# Altium PCB Thermograph_PT100.PcbDoc
Units mil, origin at the board's own origin, x right, y up, seen from the top; angles counter-clockwise.
Board outline 1971.53 x 1971.53 mil, 2 copper layers (Top Layer, Bottom Layer); 35 components, 39 nets, 136 pads, 47 vias.
Unrouted connection lines stored in the file: 1.
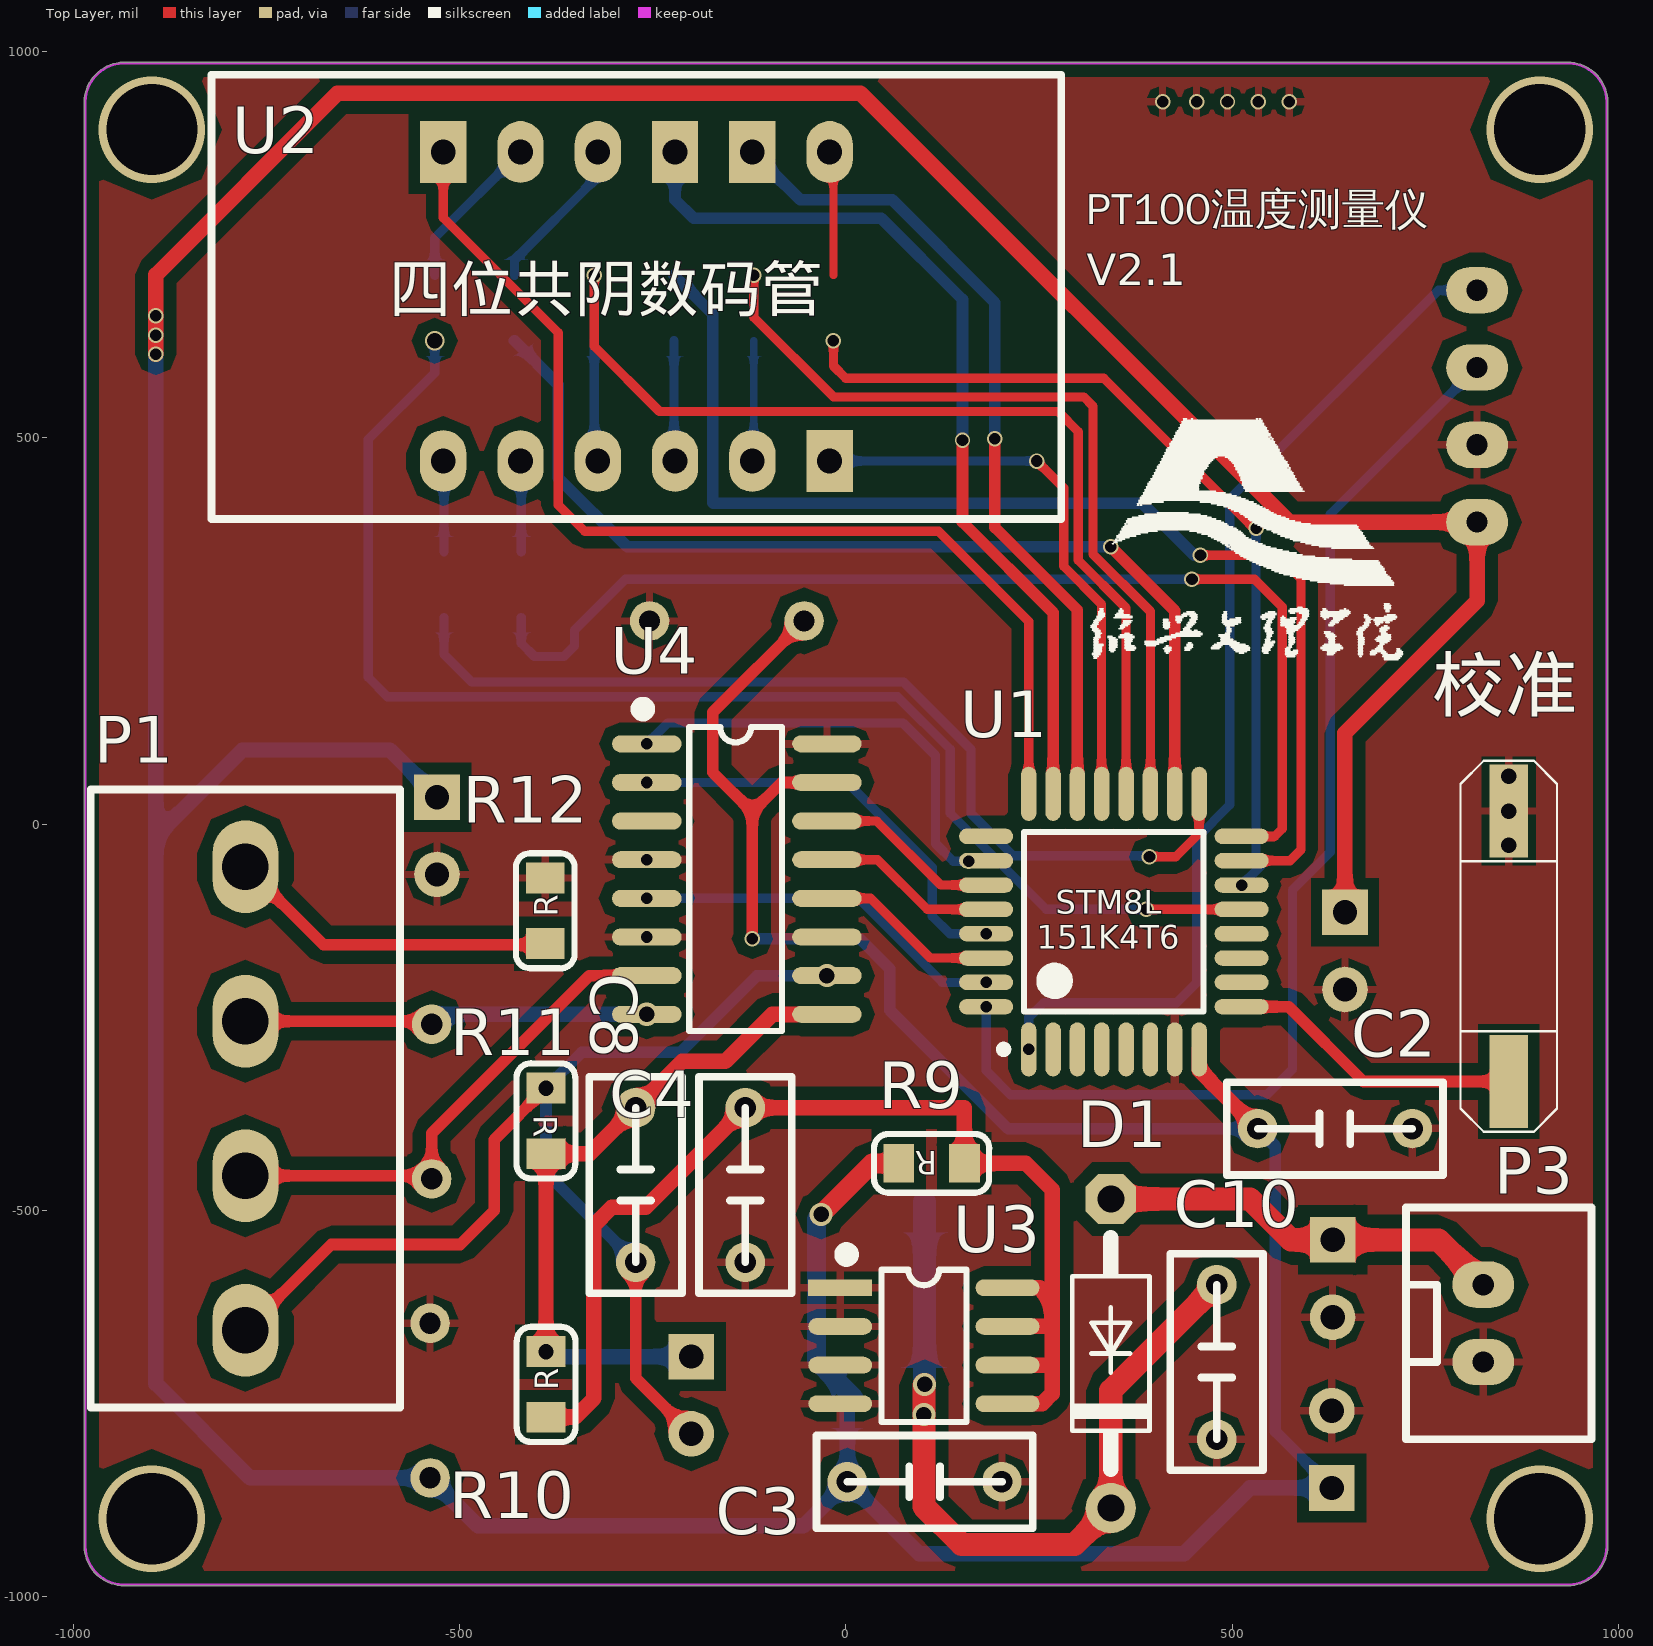
[diagram p0: Top Layer view]
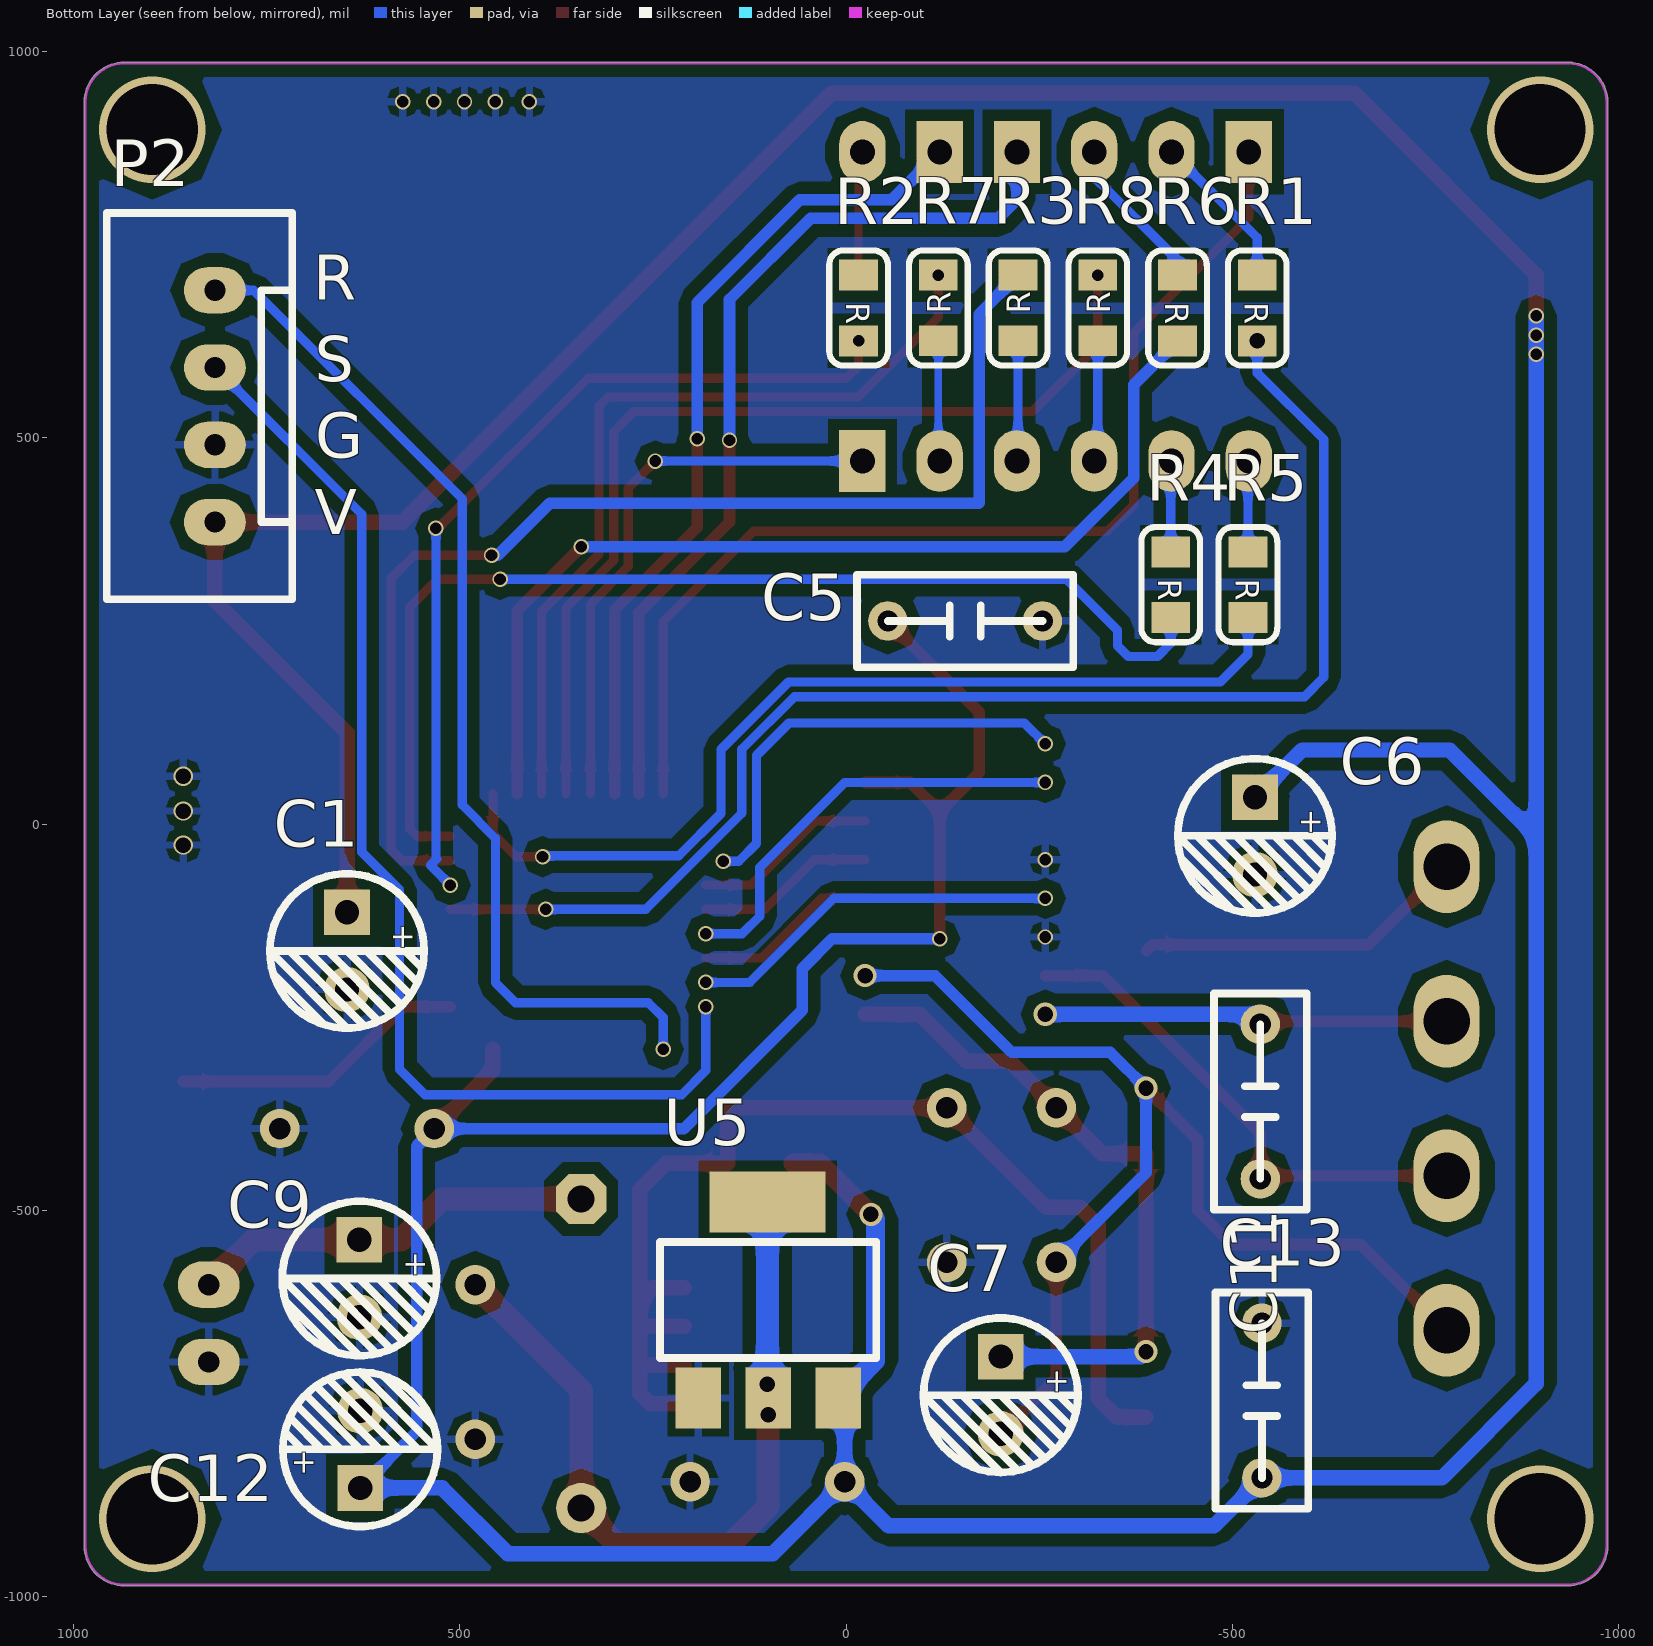
[diagram p1: Bottom Layer view, seen from below]

## Layer stack, top to bottom
Top Solder: solder mask 0.4, Solder Resist, Dk 3.5
Top Layer: signal copper 1.4
Dielectric 1: dielectric 12.6, FR-4, Dk 4.8
Bottom Layer: signal copper 1.4
Bottom Solder: solder mask 0.4, Solder Resist, Dk 3.5

## Board outline
-985.52,-934 -985.52,934.5 cw(c-934,934.5) -939.96,985.67 cw(c-939,984.5) -939,986.02 934.5,986.02 cw(c934.5,934.5) 986.02,934.5 986.02,-934 cw(c934.5,-934) 934.5,-985.51 -934,-985.51 cw(c-934,-934)

## Design rules (kind name [scope] priority, off if disabled: settings)
Clearance [All] p1: gap=7
PolygonConnect [All] p1: connectstyle=Relief reliefconductorwidth=10 reliefentries=4 polygonreliefangle="90 Angle" airgapwidth=10
RoutingCorners RoutingCorners_1 [All] p1: cornerstyle=45-Degree minsetback=100 maxsetback=100
RoutingCorners [All] p2: cornerstyle=45-Degree minsetback=100 maxsetback=100
RoutingTopology [All] p1: topology=Starburst
RoutingVias [All] p1: holewidth=18 width=23 viastyle="Through Hole" minholewidth=15 minwidth=20 maxholewidth=30 maxwidth=50
SolderMaskExpansion [All] p1: expansion=4
Width [All] p1: maxlimit=50 minlimit=7 preferedwidth=10
28 further rules are at their usual default settings.

## Classes and differential pairs
net class PD[4..7]: PD0 PD4 PD5 PD6 PD7
net class PB[0..7]: PB0 PB1 PB2 PB3 PB4 PB5 PB6 PB7

## Components (designator, comment, footprint, x,y, rotation, side; value= is the part's Value field where it differs from the comment)
C1 "10uF" cap2 646,-164 r270 bottom
C2 "104" cap1 633,-394 r180 top
C3 "104" cap1 102,-851 r180 top
C4 "104" cap1 -130,-467 r90 top
C5 "104" cap1 -154,263 r0 bottom
C6 "10uF" cap2 -529,-15 r270 bottom
C7 "10uF" cap2 -200,-739 r270 bottom
C8 "104" cap1 -272,-467 r90 top
C9 "100uF" cap2 630,-588 r270 bottom
C10 "104" cap1 480,-696 r90 top
C11 "104" cap1 -536,-359 r270 bottom
C12 "100uF" cap2 629,-809 r90 bottom
C13 "104" cap1 -538,-746 r270 bottom
D1 "1n5819" 1N4007 343,-685 r270 top
P1 "4PCON" 4P1 -777,-355 r90 top
P2 "4P" 4P2 817,541 r90 bottom
P3 "2P" 2PXH 825,-646 r270 top
R1 "1k" RES -532,668 r270 bottom
R2 "1k" RES -16,668 r270 bottom
R3 "1k" RES -222.4,668.1 r90 bottom
R4 "1k" RES -420,310 r270 bottom
R5 "1k" RES -520,310 r270 bottom
R6 "1k" RES -428.8,668 r270 bottom
R7 "1k" RES -119.2,668.1 r90 bottom
R8 "1k" RES -325.6,668.1 r90 bottom
R9 "1k" RES 111,-439 r180 top
R10 "750" RES -388,-725 r90 top
R11 "1.5k" RES -388,-384 r270 top
R12 "100" RES -389,-112 r90 top
U1 "MCU" STM8L151K4TX 347,-126 r90 top
U2 "SEG" SEG -271,670 r0 top
U3 "LM385B-2.5" LM385B-2.5 101,-675 r0 top
U4 "TM7705" TM7705 -141,-71 r0 top
U5 "AMS1117" AMS1117-3.3 101,-616 r180 bottom
校准 "Switch" Switch1 858,-158 r90 top (schematic designator K1)

## Footprints (in the part's own frame and the unit in brackets; to place one, negate y for a bottom-side part, rotate by r counter-clockwise, add the part's x,y. Pads: shape width x height; smd on the part's side, far side on the other; paste and mask are expansions set on the pad)
1N4007 [mil]
  oct 65x65 hole 35: A(-200,0)
  round 65 hole 35: K(200,0)
  silkscreen extent -150,-50 150,50, body extent -215,-51 215,51, height 100
2PXH [mil]
  oval 60x80 hole 27.56: 1(-50,0) 2(50,0)
  silkscreen extent -150,-100 150,140
4P1 [mil]
  oval 120x85 hole 60: 1(-300,0) 2(-100,0) 3(100,0) 4(300,0)
  silkscreen extent -400,-200 400,200
4P2 [mil]
  oval 60x80 hole 27.56: 1(-150,0) 2(-50,0) 3(50,0) 4(150,0)
  silkscreen extent -250,-100 250,140
AMS1117-3.3 [mil]
  rect 59x79 smd: 1(-90.55,-126.77) 2(0,-126.77) 3(90.55,-126.77)
  rect 150x79 smd: 2(-0.67,126.77)
  silkscreen extent -140,-75 140,75
cap1 [mm] "独石电容"
  round 1.3 hole 0.7: 1(-2.54,0) 2(2.54,0)
  silkscreen extent -3.56,-1.52 3.56,1.52
cap2 [mm] "电解电容(2.54mm)"
  rect 1.5x1.5 hole 0.8: A(-1.27,0)
  round 1.5 hole 0.8: K(1.27,0)
  silkscreen extent -2.54,-2.54 2.54,2.54
LM385B-2.5 [mm] "SOP8(1.27mm)"
  rect 2.1x0.55 smd: 1(-2.75,1.905)
  oval 2.1x0.55 smd: 2(-2.75,0.635) 3(-2.75,-0.635) 4(-2.75,-1.905) 5(2.75,-1.905) 6(2.75,-0.635) 7(2.75,0.635) 8(2.75,1.905)
  silkscreen extent -2.69,-2.5 1.4,3.15, body extent -3,-2.5 3,2.5, height 1.9
RES [mil]
  rect 40x50 smd: 1(-42.5,0) 2(42.5,0)
  silkscreen extent -75,-38 75,38, body extent -39,-25 39,25, height 30
SEG [mil]
  oval 60x80 hole 32: 1(-250,-200) 2(-150,-200) 3(-50,-200) 4(50,-200) 5(150,-200) 7(250,200) 10(-50,200) 11(-150,200)
  rect 60x80 hole 32: 6(250,-200) 8(150,200) 9(50,200) 12(-250,200)
  silkscreen extent -550,-275 550,300
STM8L151K4TX [mil]
  oval 70x20 smd: 1(-165.35,110.24) 2(-165.35,78.74) 3(-165.35,47.24) 4(-165.35,15.75) 5(-165.35,-15.75) 6(-165.35,-47.24) 7(-165.35,-78.74) 8(-165.35,-110.24) 17(165.35,-110.24) 18(165.35,-78.74) 19(165.35,-47.24) 20(165.35,-15.75) 21(165.35,15.75) 22(165.35,47.24) 23(165.35,78.74) 24(165.35,110.24)
  oval 20x70 smd: 9(-110.24,-165.35) 10(-78.74,-165.35) 11(-47.24,-165.35) 12(-15.75,-165.35) 13(15.75,-165.35) 14(47.24,-165.35) 15(78.74,-165.35) 16(110.24,-165.35) 25(110.24,165.35) 26(78.74,165.35) 27(47.24,165.35) 28(15.75,165.35) 29(-15.75,165.35) 30(-47.24,165.35) 31(-78.74,165.35) 32(-110.24,165.35)
  silkscreen extent -170,-116 116,148, body extent -138,-138 138,138, height 63
Switch1 [mil] "贴片按键(3*6)"
  rect 120x50 smd: 1(-175,0) 2(175,0)
  silkscreen extent -240,-63 240,63
TM7705 [mil] "SOP16(1.27)"
  oval 90x22 smd: 1(-116.59,175) 2(-116.59,125) 3(-116.59,75) 4(-116.59,25) 5(-116.59,-25) 6(-116.59,-75) 7(-116.59,-125) 8(-116.59,-175) 9(116.59,-175) 10(116.59,-125) 11(116.59,-75) 12(116.59,-25) 13(116.59,25) 14(116.59,75) 15(116.59,125) 16(116.59,175)
  silkscreen extent -128,-197 58,226, body extent -120,-197 117,197, height 75

## Part data
C1 C6 C7 C9 C12: library part Cap2, "电解电容"
C2 C3 C4 C5 C8 C10 C11 C13: library part Cap1, "无极性电容"
D1: library part 1N4007, "1N4007"
P1: "4P端口"
P3: "5V电源"
R1 R2 R3 R4 R5 R6 R7 R8 R9 R10 R11 R12: library part Res, "电阻"
U1: library part STM8L151K4TX, "STM8MCU"
U2: library part 数码管, "数码管"
U3: "2.5V稳压芯片"
校准: "开关"

## Via types
v1: diameter 20, hole 15, Top Layer to Bottom Layer, 32 vias
v2: diameter 30, hole 20, Top Layer to Bottom Layer, 7 vias
v3: diameter 25, hole 20, Top Layer to Bottom Layer, 4 vias
v4: diameter 137.8, hole 118.11, Top Layer to Bottom Layer, 4 vias

## Nets (pads, with @x,y where several pads share a name; then routed paths per layer and width w, separated by ;. In a path a pad name is that pad's centre, name@x,y a point inside that pad or via, vN(x,y) a via of type N, cw(c..) or ccw(c..) an arc to the next point about the centre after c; other vN are vias at no path point)
2.5V: C4.2 R9.1 R10.1 U3.5 U3.6 U3.7 U3.8 | length 1546.5
  Top Layer w20: R10.1 -350.5,-767.5 -326,-743 -326,-519 -303,-496 -259,-496 C4.2 153,-367 153.5,-367.5 R9.1 233,-439 267,-473 267,-616 ; U3.5 254,-750 267,-737 267,-698 ; U3.6 265,-700 267,-698 ; U3.7 265,-650 267,-648 ; U3.8 251,-600 267,-616 ; 267,-698 267,-648 ; 267,-648 267,-616
5V: C9.A D1.A P3.1 | length 528
  Top Layer w30: D1.A 523,-485 576,-538 C9.A 767,-538 P3.1
GND: C1.K C2.1 C3.1 C4.1 C5.1 C6.K C9.K C10.1 C12.K C13.1 P2.2 P3.2 R12.2 U1.7 U3.1 U3.2 U3.3 U3.4 U4.4 U4.6 U4.11 U4.16 U5.1 校准.2
  other v1: -257.59,-146 -257.59,-46 410,935 454,935 494,935 534,935 574,935
  other v3: 858,-27 858,17 858,62
NetC7_A: C7.A C8.2 R10.2 R11.2 U4.9 | length 885.1
  Top Layer w20: v2(-388,-682.5) R11.2 -331.5,-426.5 C8.2 -212,-307 -156,-307 -95,-246 U4.9
  Bottom Layer w20: v2(-388,-682.5) -381.5,-689 C7.A
NetC7_K: C7.K C8.1 P1.1 R11.1 U4.10 | length 1521.7
  Top Layer w15: P1.1 -666,-544 -499,-544 -455,-500 -455,-408.5 v2(-388,-341.5) ; C8.1 -272,-717 C7.K
  Bottom Layer w15: C8.1 -388,-451 v2(-388,-341.5) -341.5,-295 -214,-295 -115,-196 v2(-24.41,-196)
NetC10_2: C10.2 D1.K U5.2 | length 1021.8
  Top Layer w30: v2(102,-725) 101,-726 v2(101,-764) 101,-883 150,-932 296,-932 D1.K 343,-733 C10.2
  Bottom Layer w30: U5.2@101.67,-489.23 102,-489.56 v2(102,-725)
NetC11_1: C11.1 P1.3 U4.8 | length 526.4
  Top Layer w15: P1.3 -540,-255 C11.1
  Bottom Layer w20: C11.1 -523,-246 v2(-257.59,-246)
NetC11_2: C11.2 P1.2 U4.7 | length 664.6
  Top Layer w15: P1.2 -540,-455 C11.2 -536,-400 -332,-196 U4.7
NetP1_4: P1.4 R12.1 | length 432.9
  Top Layer w15: P1.4 -676,-156 -396.5,-156 R12.1@-389,-163.5
NetR1_1: R1.1 U2.11 | length 205.5
  Bottom Layer w12: R1.1 -532,759 U2.11
NetR2_1: R2.1 U2.7 | length 161.6
  Top Layer w10: -16,710.5 U2.7@-16,865
  Bottom Layer w10: U2.7 U2.7@-16,865
NetR3_1: R3.1 U2.4 | length 156.2
  Bottom Layer w12: R3.1 -222.4,471.4 U2.4
NetR4_1: R4.1 U2.2 | length 117.9
  Bottom Layer w12: U2.2 -420,469 R4.1
NetR5_1: R5.1 U2.1 | length 117.9
  Bottom Layer w12: U2.1 -520,469 R5.1
NetR6_1: R6.1 U2.10 | length 204.2
  Bottom Layer w12: R6.1 -428.8,730.2 -321,838 U2.10
NetR7_1: R7.1 U2.5 | length 156.4
  Bottom Layer w10: U2.5 -119.2,471.8 R7.1
NetR8_1: R8.1 U2.3 | length 151
  Bottom Layer w12: U2.3@-325.6,474.6 R8.1
NRST: P2.4 U1.1 | length 1352.7
  Bottom Layer w12: v1(236.76,-291.35) 236.76,-250.24 256,-231 428,-231 454,-205 454,-18 497,25 497,421 767,691 P2.4
PB0: R1.2 U1.13 | length 1774.4
  Top Layer w12: v1(389,-110.25) U1.13
  Bottom Layer w12: v3(-532,625.5) -532,584 -618,498 -618,190 -593,165 66.87,165 135,96.87 135,14 259.25,-110.25 v1(389,-110.25)
PB1: R2.2 U1.14 | length 1146.8
  Top Layer w12: v1(-16,625.5) -16,593 0,577 334,577 531,380 v1(531,383)
  Bottom Layer w12: v1(512.35,-78.76) 538,-53.11 530,-45.11 531,-44.11 v1(531,383)
PB2: R3.2 U1.15 | length 1550.6
  Top Layer w12: v1(459,348) 559,348 589,318 589,-33 574.74,-47.26 U1.15
  Bottom Layer w15: R3.2 -172,660.21 -172,416 -171.5,415.5 383.5,415.5 451,348 v1(459,348)
PB3: R4.2 U1.16 | length 1437.3
  Top Layer w12: v1(448,317) 529,317 565,281 565,-6 555.24,-15.76 U1.16
  Bottom Layer w12: R4.2 -420,234 -403,217 -365,217 -351,231 -351,251 -285,317 v1(448,317)
PB4: R5.2 U1.17 | length 1245.4
  Top Layer w12: v1(393,-42) 427,-42 457.24,-11.76 U1.17
  Bottom Layer w12: R5.2 -520,220 -484,184 74.74,184 162,96.74 162,13.87 216.87,-41 392,-41 v1(393,-42)
PB5: R6.2 U1.18 | length 1306.8
  Top Layer w15: v1(343,359) 425.74,276.26 U1.18
  Bottom Layer w15: R6.2 -372,568.7 -372,448.07 -282.93,359 v1(343,359)
PB6: R7.2 U1.19 | length 1073.7
  Top Layer w12: v1(-119.2,710.6) -119.2,656.2 -16,553 308,553 320,541 320,349.47 394.24,275.23 U1.19
PB7: R8.2 U1.20 | length 1258.6
  Top Layer w12: v1(-325.6,710.6) -325.6,618.6 -241,534 275,534 301,508 301,341.6 362.75,279.86 U1.20
PC1: U1.26 U4.1 | length 568.7
  Bottom Layer w12: v1(-257.59,104) -230.59,131 74,131 116,89 116,-25 139,-48 v1(159,-48)
PC2: U1.27 U4.14 | length 240.3
  Top Layer w12: U4.14 40,4 122.76,-78.76 U1.27
PC3: U1.28 U4.13 | length 232.7
  Top Layer w12: U4.13 41,-46 105.25,-110.25 U1.28
PC4: U1.29 U4.2 | length 557.2
  Bottom Layer w12: v1(-257.59,54) 2,54 112,-56 112,-119 134.75,-141.75 v1(181.65,-141.75)
PC5: U1.30 U4.12 | length 238
  Top Layer w12: U4.12 32,-96 109.24,-173.24 U1.30
PC6: U1.31 U4.5 | length 484.3
  Bottom Layer w12: v1(-257.59,-96) 16,-96 124.74,-204.74 v1(181.65,-204.74)
PD0: U1.9 校准.1 | length 385.7
  Top Layer w15: U1.9 573.24,-236.24 670,-333 校准.1
PD4: U1.21 U2.6 | length 733.2
  Top Layer w12: v1(247,470) 282,435 282,333.73 331,284.73 U1.21@331,39.61
  Bottom Layer w12: U2.6 v1(247,470)
PD5: U1.22 U2.8 | length 1074.6
  Top Layer w15: v1(193,499) 193,384 299.76,277.24 U1.22
  Bottom Layer w15: U2.8 -59,808 60,808 193,675 v1(193,499)
PD6: U1.23 U2.9 | length 1175.6
  Top Layer w15: v1(151,497) 151,391 268.26,273.74 U1.23
  Bottom Layer w15: U2.9 -221,808 -197,784 46,784 151,679 v1(151,497)
PD7: U1.24 U2.12 | length 1412.8
  Top Layer w12: U2.12 -521,785 -372,636 -372,413 -338,379 120,379 236.76,262.24 U1.24
SWIM: P2.3 U1.32 | length 1512.4
  Bottom Layer w12: v1(181.65,-236.24) 181.65,-318.65 213,-350 545,-350 578,-317 578,-85 627,-36 627,401 P2.3
VDD: C1.A C2.2 C3.2 C5.2 C6.A C12.A C13.2 P2.1 R9.2 U1.8 U4.15 U5.3 | length 8748.8
  Top Layer w15: v1(-121,-148) -121,16 ; C5.2 -172,145 -172,67 -121,16 ; U4.15 -83,54 -121,16
  Top Layer w20: v1(-893,608) v1(-893,633) v1(-893,658) -893,711 -658,946 19,946 574,391 P2.1 817,289 646,118 C1.A ; U1.8 457.24,-318.24 C2.2
  Top Layer w25: v2(-32,-505) 34,-439 R9.2
  Bottom Layer w15: v1(-121,-148) 18,-148 57,-187 57,-241 210,-394 C2.2 556,-417 556,-786 C12.A
  Bottom Layer w20: v1(-893,658) v1(-893,633) v1(-893,608) -893,-16 ; C6.A -590,96 -781,96 -893,-16 ; U5.3 2,-751.22 C3.2 ; C12.A 523,-859 438,-944 95,-944 C3.2 ; -893,-16 -893,-724 -771,-846 C13.2 -476,-908 -55,-908 C3.2
  Bottom Layer w25: v2(-32,-505) -38,-511 -38,-694.32 U5.3
pads on no net: U1.2 U1.3 U1.4 U1.5 U1.6 U1.10 U1.11 U1.12 U1.25 U4.3
copper on no net:
  other v4: -898,-899 898,-899 -898,899 898,899

## Polygon pours and split planes (outlines as drawn)
GND on Top Layer "Top Layer-No Net" (solid, remove dead copper, pour order 4): -985.52,-934 -985.52,934.5 cw(c-934,934.5) -939.96,985.67 cw(c-939,984.5) -939,986.02 934.5,986.02 cw(c934.5,934.5) 986.02,934.5 986.02,-934 cw(c934.5,-934) 934.5,-985.51 -934,-985.51 cw(c-934,-934)
GND on Bottom Layer "Top Layer-No Net" (solid, remove dead copper, pour order 6): -985.52,-934 -985.52,934.5 cw(c-934,934.5) -939.96,985.67 cw(c-939,984.5) -939,986.02 934.5,986.02 cw(c934.5,934.5) 986.02,934.5 986.02,-934 cw(c934.5,-934) 934.5,-985.51 -934,-985.51 cw(c-934,-934)

## Keep-outs
Keep-Out Layer:
  lines w3: -939,984.5 934.5,984.5 cw(c934.5,934.5) 984.5,934.5 984.5,-934 cw(c934.5,-934) 934.5,-984 -934,-984 cw(c-934,-934) -984,-934 -984,934.5 cw(c-934,934.5) -934,984.5

## Silkscreen, mask and mechanical layers (free items; w line width, h text height)
Top Overlay:
  drawing of 505 lines, arcs and shapes, not listed
  text "PT100温度测量仪" at 312,763 h70
  text "V2.1" at 312,684 h70
Bottom Overlay:
  text "R" at 690,659 h100
  text "S" at 688,554 h100
  text "G" at 687,455 h100
  text "V" at 688,356 h100
Bottom Solder:
  text "DrawnBy:佘晓凯" at 771,839 h70
  text "2018-05-16" at 704,756 h70

## Text inside footprints (layer, text, board x,y; h text height)
C1: Bottom Overlay "+" at 586,-129 h30 r90
C6: Bottom Overlay "+" at -589,20 h30 r90
C7: Bottom Overlay "+" at -260,-704 h30 r90
C9: Bottom Overlay "+" at 570,-553 h30 r90
C12: Bottom Overlay "+" at 689,-844 h30 r270
R1: Bottom Overlay "R" at -516,675.5 h30 r90
R2: Bottom Overlay "R" at 0,675.5 h30 r90
R3: Bottom Overlay "R" at -238.4,660.6 h30 r270
R4: Bottom Overlay "R" at -404,317.5 h30 r90
R5: Bottom Overlay "R" at -504,317.5 h30 r90
R6: Bottom Overlay "R" at -412.8,675.5 h30 r90
R7: Bottom Overlay "R" at -135.2,660.6 h30 r270
R8: Bottom Overlay "R" at -341.6,660.6 h30 r270
R9: Top Overlay "R" at 118.5,-423 h30 r180
R10: Top Overlay "R" at -372,-732.5 h30 r90
R11: Top Overlay "R" at -404,-376.5 h30 r270
R12: Top Overlay "R" at -373,-119.5 h30 r90
U1: Top Overlay "STM8L" at 272,-116 h30; Top Overlay "151K4T6" at 247,-161 h30
U2: Top Overlay "四位共阴数码管" at -591,645 h100